# Altium PCB 400484.PcbDoc (part 2 of 5) (continued)
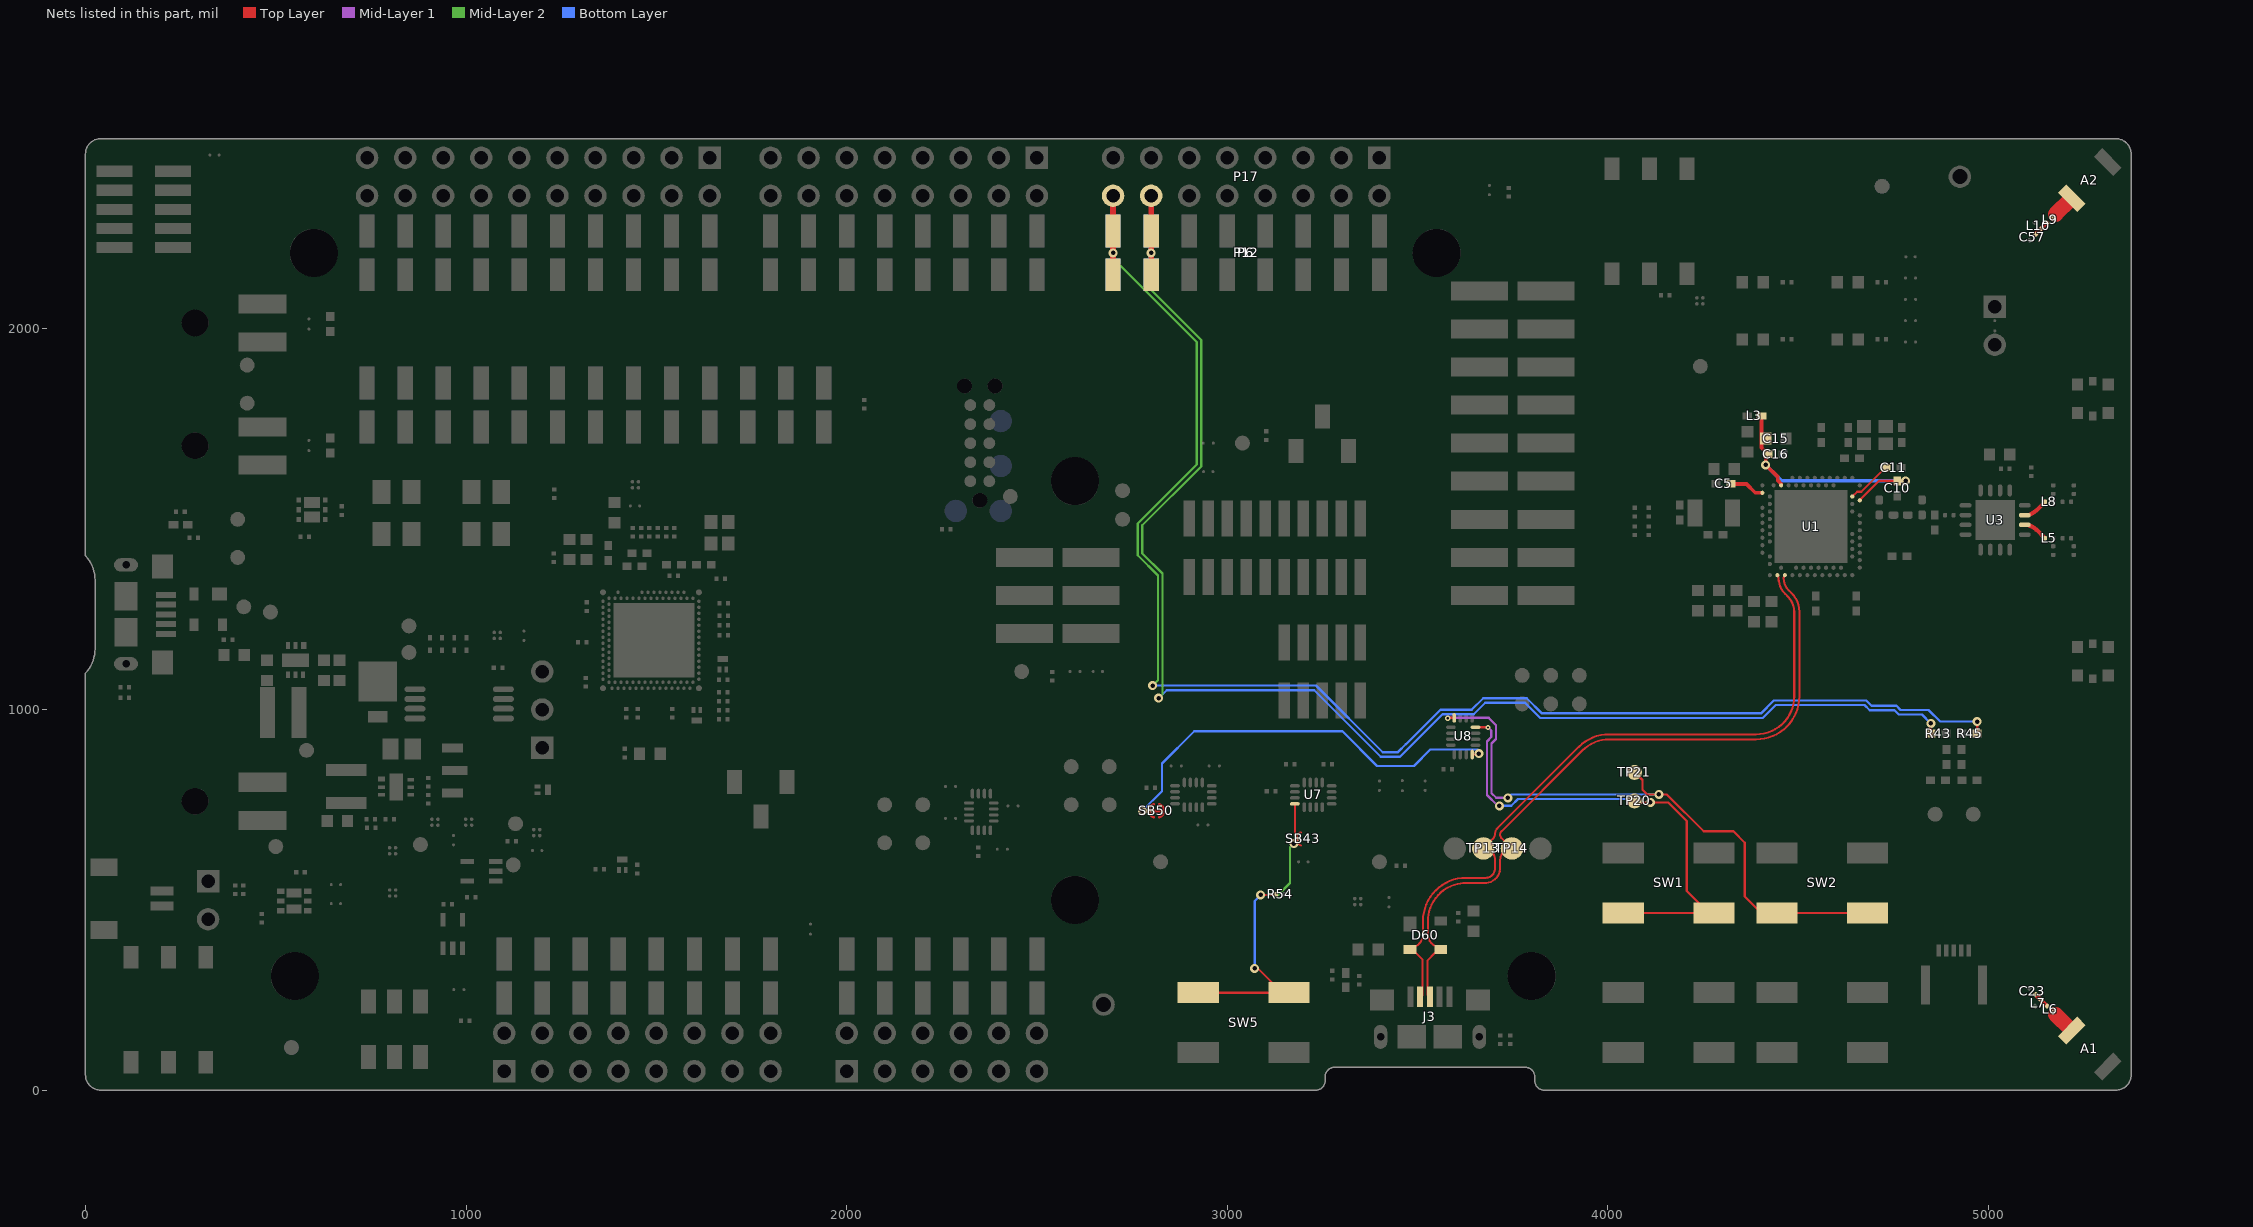
[diagram p4: the nets of this part, all layers, seen from the top]
## Part data (continued)
R26 R89: library part R0201-47k, "Resistor, ±1%, 0.05W", Manufacturer=N.A., Part number IPS=00000001423, Part number NEMS=100100076, Artikkelnr Noca=N.A., Author=rsk, Component Class=Resistors, Component Status=Active, ComponentLink1Description=Datasheet, ComponentLink1URL=N.A., ComponentLink2Description="Supplier link", ComponentLink2URL=N.A., Footprint Doc=0201, HelpURL=N.A., LatestRevisionDate=2014-11-13, Manufacturer Part Number=N.A., Note="Chip Res 1%", Pad Count=2, Part Number=R0201-47k, Part number Norautron=N.A., PartId=100100076, Published=2014-11-13, Supplier 1=N.A., Supplier 2=N.A., Supplier Part Number 1=N.A., Supplier Part Number 2=N.A.
R40: library part R0201-150k, "Resistor, ±1%, 0.05W", Manufacturer=N.A., Part number IPS=00000001422, Part number NEMS=100100082, Artikkelnr Noca=N.A., Author=rsk, Component Class=Resistors, Component Status=Active, ComponentLink1Description=Datasheet, ComponentLink1URL=N.A., ComponentLink2Description="Supplier link", ComponentLink2URL=N.A., Footprint Doc=0201, HelpURL=N.A., LatestRevisionDate=2014-11-13, Manufacturer Part Number=N.A., Note="Chip Res 1%", Pad Count=2, Part Number=R0201-150k, Part number Norautron=N.A., PartId=100100082, Published=2014-11-13, Supplier 1=N.A., Supplier 2=N.A., Supplier Part Number 1=N.A., Supplier Part Number 2=N.A.
R43 R45 R90 R91: library part R0402-N.C., "Not mounted", Manufacturer=N.A., Part number NEMS=100100281, Artikkelnr Noca=N.A., Assembly="Not mounted", Author=rsk, Component Class=Resistors, Component Status=Active, ComponentLink1Description=Datasheet, ComponentLink1URL=N.A., ComponentLink2Description="Supplier link", ComponentLink2URL=N.A., Footprint Doc=0402, HelpURL=N.A., LatestRevisionDate=2009-05-08, Manufacturer Part Number=N.A., Note="Chip Res", Pad Count=2, Part Number=R0402-N.C., Part number IPS=N.A., Part number Norautron=N.A., PartId=100100281, Published=2009-05-08, Supplier 1=N.A., Supplier 2=N.A., Supplier Part Number 1=N.A., Supplier Part Number 2=N.A.
R44 R46: library part R0402-0R, "Resistor, ±5%, 0.063W", Manufacturer=N.A., Part number IPS=00000007128, Part number NEMS=100100109, Supplier Part Number 1=146-9661, Artikkelnr Noca=27049000, Author=rsk, Component Class=Resistors, Component Status=Active, ComponentLink1Description=Datasheet, ComponentLink1URL=N.A., ComponentLink2Description="Supplier link", ComponentLink2URL=N.A., Footprint Doc=0402, HelpURL=N.A., LatestRevisionDate=2009-11-23, Manufacturer Part Number=N.A., Note="Chip Res 5%", Pad Count=2, Part Number=R0402-0R, Part number Norautron=N.A., PartId=100100109, Published=2009-05-08, Supplier 1=Farnell, Supplier 2=N.A., Supplier Part Number 2=N.A.
R47 R48 R50 R51: library part R0201-220, "Resistor, ±1%, 0.05W", Manufacturer=N.A., Part number IPS=00000000863, Part number NEMS=100100032, Part number Norautron=26107014, Artikkelnr Noca=N.A., Author=rsk, Component Class=Resistors, Component Status=Active, ComponentLink1Description=Datasheet, ComponentLink1URL=N.A., ComponentLink2Description="Supplier link", ComponentLink2URL=N.A., Footprint Doc=0201, HelpURL=N.A., LatestRevisionDate=2014-11-13, Manufacturer Part Number=N.A., Note="Chip Res 1%", Pad Count=2, Part Number=R0201-220, PartId=100100032, Published=2014-11-13, Supplier 1=N.A., Supplier 2=N.A., Supplier Part Number 1=N.A., Supplier Part Number 2=N.A.
R52 R53: library part R0201-4k7, "Resistor, ±1%, 0.05W", Manufacturer=N.A., Part number IPS=00000001706, Part number NEMS=100100061, Artikkelnr Noca=N.A., Author=rsk, Component Class=Resistors, Component Status=Active, ComponentLink1Description=Datasheet, ComponentLink1URL=N.A., ComponentLink2Description="Supplier link", ComponentLink2URL=N.A., Footprint Doc=0201, HelpURL=N.A., LatestRevisionDate=2014-11-13, Manufacturer Part Number=N.A., Note="Chip Res 1%", Pad Count=2, Part Number=R0201-4k7, Part number Norautron=N.A., PartId=100100061, Published=2014-11-13, Supplier 1=N.A., Supplier 2=N.A., Supplier Part Number 1=N.A., Supplier Part Number 2=N.A.
R54: library part R0201-N.C., "Not mounted", Manufacturer=N.A., Part number NEMS=100100107, Artikkelnr Noca=N.A., Assembly="Not mounted", Author=rsk, Component Class=Resistors, Component Status=Active, ComponentLink1Description=Datasheet, ComponentLink1URL=N.A., ComponentLink2Description="Supplier link", ComponentLink2URL=N.A., Footprint Doc=0201, HelpURL=N.A., LatestRevisionDate=2014-11-13, Manufacturer Part Number=N.A., Note="Chip Res", Pad Count=2, Part Number=R0201-N.C., Part number IPS=N.A., Part number Norautron=N.A., PartId=100100107, Published=2014-11-13, Supplier 1=N.A., Supplier 2=N.A., Supplier Part Number 1=N.A., Supplier Part Number 2=N.A.
R66: library part R0201-100k, "Resistor, ±1%, 0.05W", Manufacturer=N.A., Part number IPS=00000001419, Part number NEMS=100100080, Part number Norautron=26108487, Artikkelnr Noca=N.A., Author=rsk, Component Class=Resistors, Component Status=Active, ComponentLink1Description=Datasheet, ComponentLink1URL=N.A., ComponentLink2Description="Supplier link", ComponentLink2URL=N.A., Footprint Doc=0201, HelpURL=N.A., LatestRevisionDate=2014-11-13, Manufacturer Part Number=N.A., Note="Chip Res 1%", Pad Count=2, Part Number=R0201-100k, PartId=100100080, Published=2014-11-13, Supplier 1=N.A., Supplier 2=N.A., Supplier Part Number 1=N.A., Supplier Part Number 2=N.A.
R69: library part R0201-866, "Resistor, ±1%, 0.05W", Manufacturer=N.A., Part number IPS=00000004368, Part number NEMS=100100042, Artikkelnr Noca=N.A., Author=rsk, Component Class=Resistors, Component Status=Active, ComponentLink1Description=Datasheet, ComponentLink1URL=N.A., ComponentLink2Description="Supplier link", ComponentLink2URL=N.A., Footprint Doc=0201, HelpURL=N.A., LatestRevisionDate=2019-07-16, Manufacturer Part Number=N.A., Note="Chip Res 1%", Pad Count=2, Part Number=R0201-866, Part number Norautron=N.A., PartId=100100042, Published=2019-07-16, Supplier 1=N.A., Supplier 2=N.A., Supplier Part Number 1=N.A., Supplier Part Number 2=N.A.
R82: library part R0201-330k, "Resistor, ±1%, 0.05W", Manufacturer=N.A., Part number IPS=00000001424, Part number NEMS=100100087, Artikkelnr Noca=N.A., Author=rsk, Component Class=Resistors, Component Status=Active, ComponentLink1Description=Datasheet, ComponentLink1URL=N.A., ComponentLink2Description="Supplier link", ComponentLink2URL=N.A., Footprint Doc=0201, HelpURL=N.A., LatestRevisionDate=2014-11-13, Manufacturer Part Number=N.A., Note="Chip Res 1%", Pad Count=2, Part Number=R0201-330k, Part number Norautron=N.A., PartId=100100087, Published=2014-11-13, Supplier 1=N.A., Supplier 2=N.A., Supplier Part Number 1=N.A., Supplier Part Number 2=N.A.
R83: library part R0201-820k, "Resistor, ±1%, 0.05W", Manufacturer=N.A., Part number IPS=00000001427, Part number NEMS=100100092, Artikkelnr Noca=N.A., Author=rsk, Component Class=Resistors, Component Status=Active, ComponentLink1Description=Datasheet, ComponentLink1URL=N.A., ComponentLink2Description="Supplier link", ComponentLink2URL=N.A., Footprint Doc=0201, HelpURL=N.A., LatestRevisionDate=2014-11-13, Manufacturer Part Number=N.A., Note="Chip Res 1%", Pad Count=2, Part Number=R0201-820k, Part number Norautron=N.A., PartId=100100092, Published=2014-11-13, Supplier 1=N.A., Supplier 2=N.A., Supplier Part Number 1=N.A., Supplier Part Number 2=N.A.
R84: library part R0201-120k, "Resistor, ±1%, 0.05W", Manufacturer=N.A., Part number IPS=00000001425, Part number NEMS=100100081, Artikkelnr Noca=N.A., Author=rsk, Component Class=Resistors, Component Status=Active, ComponentLink1Description=Datasheet, ComponentLink1URL=N.A., ComponentLink2Description="Supplier link", ComponentLink2URL=N.A., Footprint Doc=0201, HelpURL=N.A., LatestRevisionDate=2014-11-13, Manufacturer Part Number=N.A., Note="Chip Res 1%", Pad Count=2, Part Number=R0201-120k, Part number Norautron=N.A., PartId=100100081, Published=2014-11-13, Supplier 1=N.A., Supplier 2=N.A., Supplier Part Number 1=N.A., Supplier Part Number 2=N.A.
R85: library part R0201-470k, "Resistor, ±1%, 0.05W", Manufacturer=N.A., Part number IPS=00000001428, Part number NEMS=100100089, Artikkelnr Noca=N.A., Author=rsk, Component Class=Resistors, Component Status=Active, ComponentLink1Description=Datasheet, ComponentLink1URL=N.A., ComponentLink2Description="Supplier link", ComponentLink2URL=N.A., Footprint Doc=0201, HelpURL=N.A., LatestRevisionDate=2014-11-13, Manufacturer Part Number=N.A., Note="Chip Res 1%", Pad Count=2, Part Number=R0201-470k, Part number Norautron=N.A., PartId=100100089, Published=2014-11-13, Supplier 1=N.A., Supplier 2=N.A., Supplier Part Number 1=N.A., Supplier Part Number 2=N.A.
R88 R92 R94: library part R0201-10M, "Resistor, ±1%, 0.05W", Manufacturer=N.A., Part number IPS=00000001426, Part number NEMS=100100105, Artikkelnr Noca=N.A., Author=rsk, Component Class=Resistors, Component Status=Active, ComponentLink1Description=Datasheet, ComponentLink1URL=N.A., ComponentLink2Description="Supplier link", ComponentLink2URL=N.A., Footprint Doc=0201, HelpURL=N.A., LatestRevisionDate=2014-11-13, Manufacturer Part Number=N.A., Note="Chip Res 1%", Pad Count=2, Part Number=R0201-10M, Part number Norautron=N.A., PartId=100100105, Published=2014-11-13, Supplier 1=N.A., Supplier 2=N.A., Supplier Part Number 1=N.A., Supplier Part Number 2=N.A.
R93: library part R0201-1k0, "Resistor, ±1%, 0.05W", Manufacturer=N.A., Part number IPS=00000005786, Part number NEMS=100100043, Artikkelnr Noca=N.A., Author=rsk, Component Class=Resistors, Component Status=Active, ComponentLink1Description=Datasheet, ComponentLink1URL=N.A., ComponentLink2Description="Supplier link", ComponentLink2URL=N.A., Footprint Doc=0201, HelpURL=N.A., LatestRevisionDate=2014-11-13, Manufacturer Part Number=N.A., Note="Chip Res 1%", Pad Count=2, Part Number=R0201-1k0, Part number Norautron=N.A., PartId=100100043, Published=2014-11-13, Supplier 1=N.A., Supplier 2=N.A., Supplier Part Number 1=N.A., Supplier Part Number 2=N.A.
R97 R98: library part R0201-4R7, "Resistor, ±1%, 0.05W", Manufacturer=N.A., Part number IPS=00000002486, Part number NEMS=100100010, Artikkelnr Noca=N.A., Author=rsk, Component Class=Resistors, Component Status=Active, ComponentLink1Description=Datasheet, ComponentLink1URL=N.A., ComponentLink2Description="Supplier link", ComponentLink2URL=N.A., Footprint Doc=0201, HelpURL=N.A., LatestRevisionDate=2014-11-13, Manufacturer Part Number=N.A., Note="Chip Res 1%", Pad Count=2, Part Number=R0201-4R7, Part number Norautron=N.A., PartId=100100010, Published=2014-11-13, Supplier 1=N.A., Supplier 2=N.A., Supplier Part Number 1=N.A., Supplier Part Number 2=N.A.
SB5 SB6 SB7 SB8 SB16 SB33 SB38 SB40 SB41 SB42 SB50 SB51 SB52 SB53 SB54 SB55 SB56 SB57 SB58 SB60: library part "Solderbridge Shorted", "Shorted Solderbridge", Manufacturer=N.A., Part number NEMS=100500459, Artikkelnr Noca=N.A., Author=rsk, Component Class=Connectors, Component Status=Active, ComponentLink1Description=Datasheet, ComponentLink1URL=N.A., ComponentLink2Description="Supplier link", ComponentLink2URL=N.A., Footprint Doc=Solderbridge_Shorted, HelpURL=N.A., LatestRevisionDate=2012-08-07, Manufacturer Part Number=N.A., Note=N.A., Pad Count=2, Part Number="Solderbridge Shorted", Part number IPS=N.A., Part number Norautron=N.A., PartId=100500459, Published=2012-08-07, Supplier 1=N.A., Supplier 2=N.A., Supplier Part Number 1=N.A., Supplier Part Number 2=N.A.
SB9 SB31 SB32 SB34 SB36 SB37 SB39 SB43 SB44 SB45 SB46 SB47 SB48 SB59 SB80 SB81: Manufacturer=N.A., Part number NEMS=100500458, Artikkelnr Noca=N.A., Author=rsk, Component Class=Connectors, Component Status=Active, ComponentLink1Description=Datasheet, ComponentLink1URL=N.A., ComponentLink2Description="Supplier link", ComponentLink2URL=N.A., Footprint Doc=Solderbridge, HelpURL=N.A., LatestRevisionDate=2009-12-14, Manufacturer Part Number=N.A., Note=N.A., Pad Count=2, Part Number=Solderbridge, Part number IPS=N.A., Part number Norautron=N.A., PartId=100500458, Published=2009-12-14, Supplier 1=N.A., Supplier 2=N.A., Supplier Part Number 1=N.A., Supplier Part Number 2=N.A.
SW1 SW2 SW3 SW4 SW5: library part L-KLS7-TS6616B-2.5-160-T, "Tactile Switch, SPNO, SMD, 160gf, 6.2x6.4x2.5mm", Manufacturer=KLS, Part number IPS=N.A., Part number NEMS=101500133, Artikkelnr Noca=N.A., Author=masi, Component Class=Switches, Component Status=Active, ComponentLink1Description=Datasheet, ComponentLink1URL=N.A., ComponentLink2Description="Supplier link", ComponentLink2URL=N.A., Footprint Doc=L-KLS7-TS6616B-2.5-160-T, HelpURL=\\hizz\pro\app9717\Datasheet\switches\KLS\L-KLS7-TS6616B-2.5-160-T.pdf, LatestRevisionDate=2021-07-02, Manufacturer Part Number=L-KLS7-TS6616B-2.5-160-T, Note=N.A., Pad Count=4, Part Number=L-KLS7-TS6616B-2.5-160-T, Part number Norautron=N.A., PartId=101500133, Published=2021-07-02, Supplier 1=Cabcon, Supplier 2=N.A., Supplier Part Number 1=L-KLS7-TS6616B-2.5-160-T, Supplier Part Number 2=N.A.
SW6 SW8: "Slide Switch DPDT", Manufacturer="HUA-JIE CORP.", Part number IPS=N.A., Part number NEMS=101500131, Artikkelnr Noca=N.A., Author=rsk, Component Class=Switches, Component Status=Active, ComponentLink1Description=Datasheet, ComponentLink1URL=N.A., ComponentLink2Description="Supplier link", ComponentLink2URL=N.A., Footprint Doc=MK-22D14-G2, HelpURL=N.A., LatestRevisionDate=2020-10-06, Manufacturer Part Number=MK-22D14-G2, Note=N.A., Pad Count=6, Part Number=MK-22D14-G2, Part number Norautron=N.A., PartId=101500131, Published=2020-12-01, Supplier 1=Cabcon, Supplier 2=N.A., Supplier Part Number 1=MK-22D14-G2, Supplier Part Number 2=N.A.
SW7 SW11: library part CJS-1200TA, "SMD slide Switch (ON-ON)", Manufacturer="Copal Electronics Inc", Part number IPS=00000009982, Part number NEMS=101500005, Part number Norautron=26030738, Supplier Part Number 1=563-1021-2-ND, Artikkelnr Noca=50019068, Author=rsk, Component Class=Switches, Component Status=Active, ComponentLink1Description=Datasheet, ComponentLink1URL=N.A., ComponentLink2Description="Supplier link", ComponentLink2URL=N.A., Footprint Doc=CJS-120xA, HelpURL=http://media.digikey.com/pdf/Data%20Sheets/COPAL%20Electronics%20PDFs/CJS.pdf, LatestRevisionDate=2012-10-03, Manufacturer Part Number=CJS-1200TA, Note=N.A., Pad Count=3, Part Number=CJS-1200TA, PartId=101500005, Published=2012-10-03, Supplier 1=Digi-Key, Supplier 2=N.A., Supplier Part Number 2=N.A.
SW9: "Slide Switch DP3T 300mA 6V", Manufacturer=C&K, Part number IPS=00000004321, Part number NEMS=101500099, Part number Norautron=N.A., Supplier Part Number 1=CKN10725CT-ND, Artikkelnr Noca=50019116, Author=rsk, Component Class=Switches, Component Status=Active, ComponentLink1Description=Datasheet, ComponentLink1URL=N.A., ComponentLink2Description="Supplier link", ComponentLink2URL=N.A., Footprint Doc=Switch-Slide-J-Lead-DP3T-13x3.5mm, HelpURL=http://www.ckswitches.com/media/1422/js.pdf, LatestRevisionDate=2016-10-05, Manufacturer Part Number=JS203011JCQN, Note=N.A., Pad Count=8, Part Number=JS203011JCQN, PartId=101500099, Published=2016-10-05, Supplier 1=Digi-Key, Supplier 2=N.A., Supplier Part Number 2=N.A.
SW10: "Slide Switch DPDT J Hook", Manufacturer="Copal Electronics Inc", Part number IPS=00000009983, Part number NEMS=101500003, Part number Norautron=N.A., Supplier Part Number 1=CAS220JTR-ND, Artikkelnr Noca=50019042, Author=rsk, Component Class=Switches, Component Status=Active, ComponentLink1Description=Datasheet, ComponentLink1URL=N.A., ComponentLink2Description="Supplier link", ComponentLink2URL=N.A., Footprint Doc=CAS-220TA, HelpURL=http://media.digikey.com/pdf/Data%20Sheets/COPAL%20Electronics%20PDFs/CAS%20SMD%20Slide%20Switch.pdf, LatestRevisionDate=2010-02-18, Manufacturer Part Number=CAS-220TA, Note=N.A., Pad Count=6, Part Number=CAS-220TA, PartId=101500003, Published=2010-02-18, Supplier 1=Digi-Key, Supplier 2=N.A., Supplier Part Number 2=N.A.
TP1 TP2 TP3 TP4 TP5 TP6 TP7 TP8 TP9 TP10 TP11 TP12 TP17 TP18 TP19 TP20 TP21 TP22 TP23 TP24 TP25 TP27 TP28 TP29 TP30 TP31 TP32 TP34 TP35 TP36 TP37 TP38 TP39 TP42 TP43 TP44 TP45 TP46 TP47: library part TP_SMD_Ø1.0MM, "1.0mm circular SMD testpad", Manufacturer="Nordic Semiconductor", Manufacturer Part Number=N.A., Part number NEMS=100500475, Artikkelnr Noca=N.A., Author=rsk, Component Class=Connectors, Component Status=Active, ComponentLink1Description=Datasheet, ComponentLink1URL=N.A., ComponentLink2Description="Supplier link", ComponentLink2URL=N.A., Footprint Doc=TP_SMD_Ø1.0mm, HelpURL=N.A., LatestRevisionDate=2021-03-05, Note=N.A., Pad Count=1, Part Number=TP_SMD_Ø1.0MM, Part number IPS=N.A., Part number Norautron=N.A., PartId=100500475, Published=2013-06-11, Supplier 1=N.A., Supplier 2=N.A., Supplier Part Number 1=N.A., Supplier Part Number 2=N.A.
TP13 TP14 TP15 TP16 TP49 TP50 TP51 TP52: library part TP_SMD_Ø1.5MM, "1.5mm circular SMD testpad", Manufacturer="Nordic Semiconductor", Manufacturer Part Number=N.A., Part number NEMS=100500477, Artikkelnr Noca=N.A., Author=rsk, Component Class=Connectors, Component Status=Active, ComponentLink1Description=Datasheet, ComponentLink1URL=N.A., ComponentLink2Description="Supplier link", ComponentLink2URL=N.A., Footprint Doc=TP_SMD_Ø1.5mm, HelpURL=N.A., LatestRevisionDate=2021-03-05, Note=N.A., Pad Count=1, Part Number=TP_SMD_Ø1.5MM, Part number IPS=N.A., Part number Norautron=N.A., PartId=100500477, Published=2016-06-02, Supplier 1=N.A., Supplier 2=N.A., Supplier Part Number 1=N.A., Supplier Part Number 2=N.A.
TP40 TP41: library part "Testpoint TH", "Testpoint, through hole", Manufacturer=N.A., Part number NEMS=100500464, Artikkelnr Noca=N.A., Author=rsk, Component Class=Connectors, Component Status=Active, ComponentLink1Description=Datasheet, ComponentLink1URL=N.A., ComponentLink2Description="Supplier link", ComponentLink2URL=N.A., Footprint Doc=TESTPAD-TH, HelpURL=N.A., LatestRevisionDate=2009-12-12, Manufacturer Part Number=N.A., Note=N.A., Pad Count=1, Part Number="Testpoint TH", Part number IPS=N.A., Part number Norautron=N.A., PartId=100500464, Published=2009-12-12, Supplier 1=N.A., Supplier 2=N.A., Supplier Part Number 1=N.A., Supplier Part Number 2=N.A.
U1: library part nRF52840-QIAAF0, "Multi-protocol Bluetooth Low Energy, IEEE 802.15.4, ANT and 2.4GHz proprietary system-on-chip", Manufacturer="Nordic Semiconductor", Part number IPS=80000002377, Part number NEMS=102000222, Part number Norautron=N.A., Artikkelnr Noca=N.A., Author=hany, Component Class=nRF_Devices, Component Status=Active, ComponentLink1Description=Datasheet, ComponentLink1URL=N.A., ComponentLink2Description="Supplier link", ComponentLink2URL=N.A., Footprint Doc=AQFN-73, HelpURL=N.A., LatestRevisionDate=2021-03-24, Manufacturer Part Number=nRF52840-QIAAF0, Note=N.A., Pad Count=73, Part Number=nRF52840-QIAAF0, PartId=102000222, Published=2021-03-24, Supplier 1="Nordic Semiconductor", Supplier 2=N.A., Supplier Part Number 1=nRF52840-QIAAF0, Supplier Part Number 2=N.A.
U2: library part nRF5340-QKAAD0, "Multi-protocol Bluetooth Low Energy, IEEE 802.15.4, ANT and 2.4GHz proprietary system-on-chip", Manufacturer="Nordic Semiconductor", Part number IPS=N.A., Part number NEMS=102000216, Part number Norautron=NOD26470035, Artikkelnr Noca=N.A., Author=rsk, Component Class=nRF_Devices, Component Status=Active, ComponentLink1Description=Datasheet, ComponentLink1URL=N.A., ComponentLink2Description="Supplier link", ComponentLink2URL=N.A., Footprint Doc=AQFN-98, HelpURL=N.A., LatestRevisionDate=2020-12-02, Manufacturer Part Number=nRF5340-QKAAD0, Note=N.A., Pad Count=98, Part Number=nRF5340-QKAAD0, PartId=102000216, Published=2020-12-02, Supplier 1="Nordic Semiconductor", Supplier 2=N.A., Supplier Part Number 1=nRF5340-QKAAD0, Supplier Part Number 2=N.A.
U3: library part nRF21540-QDAAG0, "Radio front-end / range extender for 2.4GHz", Manufacturer="Nordic Semiconductor", Part number IPS=N.A., Part number NEMS=102000223, Artikkelnr Noca=N.A., Author=hany, Component Class=nRF_Devices, Component Status=Active, ComponentLink1Description=Datasheet, ComponentLink1URL=N.A., ComponentLink2Description="Supplier link", ComponentLink2URL=N.A., Footprint Doc=QFN-16, HelpURL=N.A., LatestRevisionDate=2021-03-24, Manufacturer Part Number=nRF21540-QDAAG00, Note=N.A., Pad Count=16, Part Number=nRF21540-QDAAG0, Part number Norautron=N.A., PartId=102000223, Published=2021-03-24, Supplier 1="Nordic Semiconductor", Supplier 2=N.A., Supplier Part Number 1=nRF21540-QDAAG00, Supplier Part Number 2=N.A.
U4 U13 U15 U16 U17 U18 U22 U23 U24: "1.0 A Load Switch IC with Slew Rate Control Driver in Ultra Small Package", Manufacturer=Toshiba, Manufacturer Part Number=TCK106AG,LF, Part number IPS=00000004390, Part number NEMS=101900575, Part number Norautron=26500627, Supplier Part Number 1=TCK106AGLFTR-ND, Artikkelnr Noca=N.A., Author=rsk, Component Class=Misc_ICs, Component Status=Active, ComponentLink1Description=Datasheet, ComponentLink1URL=https://toshiba.semicon-storage.com/info/docget.jsp?did=30131&prodName=TCK106AG, ComponentLink2Description="Supplier link", ComponentLink2URL=N.A., Footprint Doc=WLCSP-4, HelpURL=N.A., LatestRevisionDate=2019-03-01, Note=N.A., Pad Count=4, Part Number=TCK106AG, PartId=101900575, Published=2019-02-17, Supplier 1=Digi-Key, Supplier 2=Mouser, Supplier Part Number 2=757-TCK106AGLF
U5 U6 U7 U8: "Data / Audio Low-Voltage Dual DPDT Analog Switch", Manufacturer="ON Semiconductor", Part number IPS=00000009986, Part number NEMS=101900422, Part number Norautron=26500608, Supplier Part Number 1=FSA2466UMXCT-ND, Artikkelnr Noca=15070069, Author=rsk, Component Class=Misc_ICs, Component Status=Active, ComponentLink1Description=Datasheet, ComponentLink1URL=N.A., ComponentLink2Description="Supplier link", ComponentLink2URL=N.A., Footprint Doc=UFQFN-16, HelpURL=https://www.onsemi.com/pub/Collateral/FSA2466-D.PDF, LatestRevisionDate=2019-05-15, Manufacturer Part Number=FSA2466UMX, Note=N.A., Pad Count=16, Part Number=FSA2466UMX, PartId=101900422, Published=2016-05-18, Supplier 1=Digi-Key, Supplier 2=Mouser, Supplier Part Number 2=512-FSA2466UMX
U11: library part XC9236D08CER-G, "600mA Driver Transistor Built-In, Synchronous Step-Down DC/DC Converters", Manufacturer="Torex Semiconductor", Part number IPS=00000004325, Part number NEMS=101900207, Part number Norautron=N.A., Supplier Part Number 1=865-XC9236D08CER-G, Artikkelnr Noca=17030085, Author=rsk, Component Class=Misc_ICs, Component Status=Active, ComponentLink1Description=Datasheet, ComponentLink1URL=N.A., ComponentLink2Description="Supplier link", ComponentLink2URL=N.A., Footprint Doc=USP-6C, HelpURL=http://www.torexsemi.com/products/dcdc_converters/data/XC9235~37.pdf, LatestRevisionDate=2017-11-15, Manufacturer Part Number=XC9236D08CER-G, Note=N.A., Pad Count=6, Part Number=XC9236D08CER-G, PartId=101900207, Published=2017-11-15, Supplier 1=Mouser, Supplier 2=Digi-Key, Supplier Part Number 2=XC9236D08CER-G-ND
U12: library part XC9148A50CER-G, "1.4A Driver Transistor Built-In, Multi Functional Step-Up DC/DC Converter", Manufacturer="Torex Semiconductor", Part number IPS=N.A., Part number NEMS=101900670, Artikkelnr Noca=N.A., Author=hany, Component Class=Misc_ICs, Component Status=Active, ComponentLink1Description=Datasheet, ComponentLink1URL=https://www.torexsemi.com/file/XC9147/XC9147.pdf, ComponentLink2Description="Supplier link", ComponentLink2URL=N.A., Footprint Doc=USP-6C, HelpURL=https://www.torexsemi.com/file/XC9147/XC9147.pdf, LatestRevisionDate=2021-10-26, Manufacturer Part Number=XC9148A50CER-G, Note=N.A., Pad Count=6, Part Number=XC9148A50CER-G, Part number Norautron=N.A., PartId=101900670, Published=2021-10-26, Supplier 1=N.A., Supplier 2=N.A., Supplier Part Number 1=N.A., Supplier Part Number 2=N.A.
U19: "Precision very low power CMOS dual operational amplifier", Manufacturer=STMicroelectronics, Part number IPS=00000009991, Part number NEMS=101900442, Part number Norautron=N.A., Supplier Part Number 1=497-8085-1-ND, Artikkelnr Noca=17010019, Author=rsk, Component Class=Misc_ICs, Component Status=Active, ComponentLink1Description=Datasheet, ComponentLink1URL=N.A., ComponentLink2Description="Supplier link", ComponentLink2URL=N.A., Footprint Doc=TSSOP-8, HelpURL=http://www.st.com/content/ccc/resource/technical/document/datasheet/38/5b/ca/bd/c0/26/4a/34/CD00000880.pdf/files/CD00000880.pdf/jcr:content/translations/en.CD00000880.pdf, LatestRevisionDate=2016-07-07, Manufacturer Part Number=TS27L2IPT, Note=N.A., Pad Count=8, Part Number=TS27L2IPT, PartId=101900442, Published=2016-07-07, Supplier 1=Digi-Key, Supplier 2=N.A., Supplier Part Number 2=N.A.
U20 U25: library part 74LVC1G08GW, "Single 2-Input AND Gate", Manufacturer="NXP Semiconductors", Part number IPS=00000009992, Part number NEMS=101900155, Part number Norautron=N.A., Supplier Part Number 1=568-1580-1-ND, Artikkelnr Noca=15049058, Author=rsk, Component Class=Misc_ICs, Component Status=Active, ComponentLink1Description=Datasheet, ComponentLink1URL=N.A., ComponentLink2Description="Supplier link", ComponentLink2URL=N.A., Footprint Doc=SC70-5, HelpURL=http://www.nxp.com/documents/data_sheet/74LVC1G08.pdf, LatestRevisionDate=2016-10-18, Manufacturer Part Number=74LVC1G08GW, Note="Single 2-Input AND Gate", Pad Count=5, Part Number=74LVC1G08GW, PartId=101900155, Published=2016-10-18, Supplier 1=Digi-Key, Supplier 2=Farnell, Supplier Part Number 2=242-8299
X1 X3: library part XTAL_SMD2016_32MHz_8pF_Golledge, "XTAL SMD 2016, 32MHz, Cl=8pF, Tol: ±10ppm, Stab: ±15ppm", Manufacturer=Golledge, Manufacturer Part Number=MP06003, Part number IPS=00000001431, Part number NEMS=101600041, Part number Norautron=N.A., Artikkelnr Noca=22010050, Author=rsk, Component Class=Oscillators, Component Status=Active, ComponentLink1Description=Datasheet, ComponentLink1URL=N.A., ComponentLink2Description="Supplier link", ComponentLink2URL=N.A., Footprint Doc=XTAL_2016, HelpURL=\\hizz\pro\app9717\Datasheet\crystals\Golledge\mp06003.pdf, LatestRevisionDate=2016-11-02, Note="XTAL SMD 32.000MHz", Pad Count=4, Part Number=XTAL_SMD2016_32MHz_8pF_Golledge, PartId=101600041, Published=2016-11-02, Supplier 1="Link Nordic", Supplier 2=N.A., Supplier Part Number 1=N.A., Supplier Part Number 2=N.A.
X2: library part XTAL_SMD3215_32.768kHz_9pF_NDK, "XTAL SMD 3215, 32.768kHz, 9pF, ±20ppm", Manufacturer=NDK, Manufacturer Part Number=NX3215SA-32.768K-STD-MUA-9, Part number IPS=00000005419, Part number NEMS=101600019, Part number Norautron=N.A., Artikkelnr Noca=22010049, Author=rsk, Component Class=Oscillators, Component Status=Active, ComponentLink1Description=Datasheet, ComponentLink1URL=N.A., ComponentLink2Description="Supplier link", ComponentLink2URL=N.A., Footprint Doc=XTAL_3215, HelpURL=N.A., LatestRevisionDate=2017-10-23, Note="XTAL SMD 32.768kHz", Pad Count=2, Part Number=XTAL_SMD3215_32.768kHz_9pF_NDK, PartId=101600019, Published=2017-10-23, Supplier 1=N.A., Supplier 2=N.A., Supplier Part Number 1=N.A., Supplier Part Number 2=N.A.

## Free pads (board coordinates)
  round 126 hole 126 unplated: 1(550,300) 1(600,2200) 1(2600,500) 1(2600,1600) 1(3550,2200) 1(3800,300)
  round 13.78 on Mech16: 1(595,1514) 1(4425.73,1441.63) 1(4425.73,1461.31) 1(4425.73,1481) 1(4425.73,1500.68) 1(4425.73,1520.37) 1(4494.63,1372.73) 1(4494.63,1589.27) 1(4514.31,1372.73) 1(4514.31,1589.27) 1(4524.16,1353.05) 1(4534,1372.73) 1(4534,1589.27) 1(4553.68,1372.73) 1(4553.68,1589.27) 1(4573.37,1372.73) 1(4573.37,1589.27) 1(4593.05,1372.73) 1(4593.05,1589.27) 1(4612.74,1372.73) 1(4642.27,1402.26) 1(4642.27,1421.94) 1(4642.27,1441.63) 1(4642.27,1461.31)

## Via types
v1: diameter 23.62, hole 11.81, Top Layer to Bottom Layer, tented both sides, 881 vias
v2: diameter 19.68, hole 9.84, Top Layer to Bottom Layer, tented both sides, 281 vias
v3: diameter 13.78, hole 5.91, Top Layer to Mid-Layer 1, tented both sides, 129 vias
v4: diameter 13.78, hole 5.91, Top Layer to Mid-Layer 1, tented top, 40 vias
v5: diameter 24, hole 12, Top Layer to Bottom Layer, tented both sides, 24 vias
v6: diameter 11.81, hole 3.94, Top Layer to Mid-Layer 1, tented top, 10 vias

## Nets (pads, with @x,y where several pads share a name; then routed paths per layer and width w, separated by ;. In a path a pad name is that pad's centre, name@x,y a point inside that pad or via, vN(x,y) a via of type N, cw(c..) or ccw(c..) an arc to the next point about the centre after c; other vN are vias at no path point)
A1: A1.1 L6.2 | length 54.3
  Top Layer w40: 5176.77,198.43 A1.1@5215.16,160.04
A1L: C23.1 L6.1 L7.1 | length 42
  Top Layer w10.98: C23.1@5124.39,250.81 L6.1@5154.08,221.12
A2: A2.1 L9.2 | length 54.3
  Top Layer w40: 5176.77,2301.57 A2.1@5215.16,2339.96
A2L: C57.1 L9.1 L10.1 | length 42
  Top Layer w10.98: C57.1@5124.39,2249.19 L9.1@5154.08,2278.88
ANT1: L5.1 U3.2 | length 65.4
  Top Layer w10.98: U3.2@5095.47,1485.24 cw(c5095.47,1442.26) 5125.86,1472.65 L5.1@5148.27,1450.24
ANT2: L8.1 U3.3 | length 65.4
  Top Layer w10.98: U3.3@5095.47,1510.83 ccw(c5095.47,1553.79) 5125.85,1523.41 L8.1@5148.27,1545.83
BOOT/RESET: R54.1 SB43.1 SW5.2 U7.16 | length 920
  Top Layer w6: SW5.2@2910.12,255.97 SW5.2@3175.87,255.97 ; v1(3072,320) 3080.35,320 SW5.2@3146.17,254.17 ; v1(3088,513) 3125.78,513 R54.1@3127.78,515 ; v1(3175,648) 3187,660 3187,660.7 3177.77,669.93 U7.16@3177.77,752.38 U7.16@3176.38,752.38
  Mid-Layer 2 w6: v1(3088,513) 3134,513 3165,544 3165,638 v1(3175,648)
  Bottom Layer w6: v1(3072,320) 3072,497 v1(3088,513)
BUTTON1: SW1.2 TP20.1 U8.4 | length 1389.4
  Top Layer w6: U8.4@3652.48,953.62 3685.38,953.62 v3@3686,953 ; SW1.2@4026.7,465.74 SW1.2@4265.01,465.74 ; TP20.1@4070,760 4074,756 v1(4112,756) 4158.82,756 4207.68,707.14 4207.68,523.07 SW1.2@4265.01,465.74 ; SW1.2@4319.18,465.74 4292.45,465.74 SW1.2@4265.01,465.74
  Mid-Layer 1 w6: v3@3686,953 3694,945 3694,927.64 3682.33,915.97 3682.33,775.33 3710.66,747 v1(3715.33,747)
  Bottom Layer w6: v1(3715.33,747) 3746.03,747 3764.03,765 4073,765 4082,756 v1(4112,756)
  other v3: 3685,953
BUTTON2: SW2.2 TP21.1 U8.8 | length 1687.9
  Top Layer w6: v3@3578.23,978.23 U8.8@3596.38,978.23 ; TP21.1@4070,836 4091.09,814.91 4091.09,789.34 4103.44,777 v1(4134,777) 4154.79,777 4251.79,680 4329.96,680 4360,649.96 4360,508.92 4403.18,465.74 4430.7,465.74 4696.45,465.74 SW2.2@4720.99,465.74
  Mid-Layer 1 w6: v3@3578.23,978.23 3686.8,978.23 3706,959.03 3706,922.67 3694.33,911 3694.33,780.3 3706.63,768 v1(3737.33,768)
  Bottom Layer w6: v1(3737.33,768) 3746.33,777 v1(4134,777)
  other v3: 3579.23,977.23
CTS: SB50.1 U8.16 | length 1136.6
  Top Layer w6: U8.16@3643.62,881.77 v1@3657.77,881.77 ; v1@3663,887 v1@3657.77,881.77 ; v1@3668,885 3664.77,881.77 v1@3657.77,881.77
  Top Layer w8: v1(2777,734) 2793.83,734 SB50.1@2800.7,734
  Bottom Layer w6: v1(2777,734) 2828.31,785.31 2828.31,858.01 2913.3,943 3302.66,943 3393.66,852 3490.7,852 3533.7,895 3658,895 v1@3668,885
  other v1: 3661,884
D20: P6.7 P12.7 P17.14 R43.1 | length 3884.4
  Top Layer w6: v1(4848.66,963.63) 4848.66,938 4849.41,937.25 R43.1@4849.16,937
  Top Layer w15: P6.7@2800,2142.32 v1(2800,2200) P6.7@2800,2257.68 P17.14@2800,2350
  Mid-Layer 2 w6: v1(2800,2200) 2800,2103.03 2932,1971.03 2932,1639 2777,1484 2777,1410.3 2830,1357.3 2830,1040 v1(2820,1030)
  Bottom Layer w6: v1(2820,1030) 2841,1051 3228.33,1051 3403.33,876 3453.91,876 3565.79,987.87 3647.54,987.87 3677.67,1018 3782.4,1018 3822.4,978 4407.13,978 4441.09,1011.96 4674.17,1011.96 4688.04,998.09 4753.37,998.09 4764.35,987.11 4825.18,987.11 v1(4848.66,963.63)
  Bottom Layer w15: P12.7@2800,2142.32 v1(2800,2200) P12.7@2800,2257.68
D21: P6.8 P12.8 P17.16 R45.1 | length 4018.3
  Top Layer w6: v1(4970.47,968.5) 4970.47,937.05 R45.1@4970.53,937
  Top Layer w15: P6.8@2700,2142.32 v1(2700,2200) P6.8@2700,2257.68 P17.16@2700,2350
  Mid-Layer 2 w6: v1(2700,2200) 2700,2186.06 2920,1966.06 2920,1644 2765,1489 2765,1405.33 2818,1352.33 2818,1077 v1(2804,1063)
  Bottom Layer w6: v1@2812,1063 3233.3,1063 3408.3,888 3448.94,888 3450,889.06 3450,889.67 3469.33,909 3469.94,909 3560.82,999.87 3642.57,999.87 3672.7,1030 3787.24,1030 3827.24,990 4402.3,990 4436.16,1023.87 4679.1,1023.87 4692.97,1010 4758.3,1010 4769.29,999.02 4842.84,999.02 4873.35,968.5 v1(4970.47,968.5)
  Bottom Layer w15: P12.8@2700,2142.32 v1(2700,2200) P12.8@2700,2257.68
D_N: D60.2 J3.2 TP13.1 U1.AD4 | length 1909.2
  Top Layer w5.35: J3.2@3507.06,245.35 ccw(c3507.06,251.53) 3513.24,251.53 3513.24,342.11 3494.81,360.54 3489.54,360.54 D60.2@3480.41,369.68 3480.41,374.96 ccw(c3480.41,408.86) 3514.31,408.86 3514.31,444.6 cw(c3627.54,444.6) 3627.54,557.83 3678.05,557.83 ccw(c3678.05,583.66) 3703.89,583.66 3703.89,604.62 ccw(c3673.51,604.62) 3694.99,626.1 ccw(c3673.51,604.62) 3673.51,635 TP13.1@3673,635 3673.25,635.25 3698.18,660.18 ccw(c3684.4,673.96) 3701.45,664.52 ccw(c3684.4,673.96) 3703.89,673.96 cw(c3723.38,673.96) 3704.36,678.25 cw(c3723.38,673.96) 3706.9,684.37 cw(c3723.38,673.96) 3709.59,687.74 3923.64,901.78 cw(c4003.6,821.82) 4003.6,934.91 4389.84,934.91 ccw(c4389.84,1034.91) 4489.84,1034.91 4489.84,1257.31 ccw(c4435.46,1257.31) 4473.91,1295.76 4465.74,1303.94 cw(c4507.02,1345.21) 4448.64,1345.21 ; U1.AD4@4445.42,1353.05 ccw(c4448.99,1353.05) 4446.01,1351.08 ccw(c4448.99,1353.05) 4446.46,1350.52 cw(c4441.2,1345.25) 4448.64,1345.25
D_P: D60.3 J3.3 TP14.1 U1.AD6 | length 1910.2
  Top Layer w5.35: J3.3@3532.65,245.35 cw(c3532.65,251.53) 3526.47,251.53 3526.47,341.05 3545.96,360.54 3551.98,360.54 3561.08,369.65 3561.12,375.31 cw(c3561.17,408.95) 3527.54,408.95 3527.54,444.6 cw(c3627.54,444.6) 3530.54,468.93 cw(c3627.54,444.6) 3605.18,542.07 cw(c3627.54,444.6) 3627.54,544.6 3678.05,544.6 ccw(c3678.05,583.66) 3681.01,544.71 ccw(c3678.05,583.66) 3716.98,580.41 ccw(c3678.05,583.66) 3717.11,583.66 3717.11,604.62 cw(c3747.49,604.62) 3726.01,626.1 cw(c3747.49,604.62) 3747.49,635 TP14.1@3748,635 3747.75,635.25 3720.89,662.11 cw(c3729.99,671.22) 3719.91,663.2 cw(c3729.99,671.22) 3717.11,671.22 cw(c3729.99,671.22) 3720.89,680.32 3932.95,892.39 cw(c4003.66,821.68) 4003.66,921.68 4389.84,921.68 ccw(c4389.84,1034.91) 4503.07,1034.91 4503.07,1257.36 ccw(c4435.58,1257.36) 4483.3,1305.08 4475.12,1313.26 cw(c4507.12,1345.25) 4461.87,1345.25 cw(c4469.32,1345.25) 4464.05,1350.52 ccw(c4461.53,1353.05) U1.AD6@4465.1,1353.05
DEC1: C5.1 U1.C1 | length 91.9
  Top Layer w9.84: C5.1@4323.77,1592.73 4364.2,1592.73 4387.35,1569.58 U1.C1@4406.05,1569.58
DEC3: C11.1 U1.D23 | length 120
  Top Layer w6: U1.D23@4642.27,1559.74 4642.49,1559.74 4655.28,1572.53 4665.89,1572.53 4728.88,1635.53 C11.1@4730.85,1635.53
DEC4_6: C10.2 C15.2 C16.1 L3.1 U1.B5 U1.E24 | length 730.7
  Top Layer w5.91: U1.E24@4661.95,1549.9 4661.95,1550.6 4712.43,1601.08 4760.6,1601.08 v1(4782.59,1601.08)
  Top Layer w9.84: L3.1@4404.08,1771.35 4404.08,1687.69 4414.9,1676.87 v1(4414.9,1642.89) 4446.77,1611.02 4446.77,1601.73 4455.07,1593.43 4455.07,1589.46 U1.B5@4455.26,1589.27
  Bottom Layer w9.84: v1(4414.9,1642.89) 4414.9,1642.62 4456.44,1601.08 v1(4782.59,1601.08)